# Altium PCB Pleiades_PP.PcbDoc (part 2 of 15) (continued)
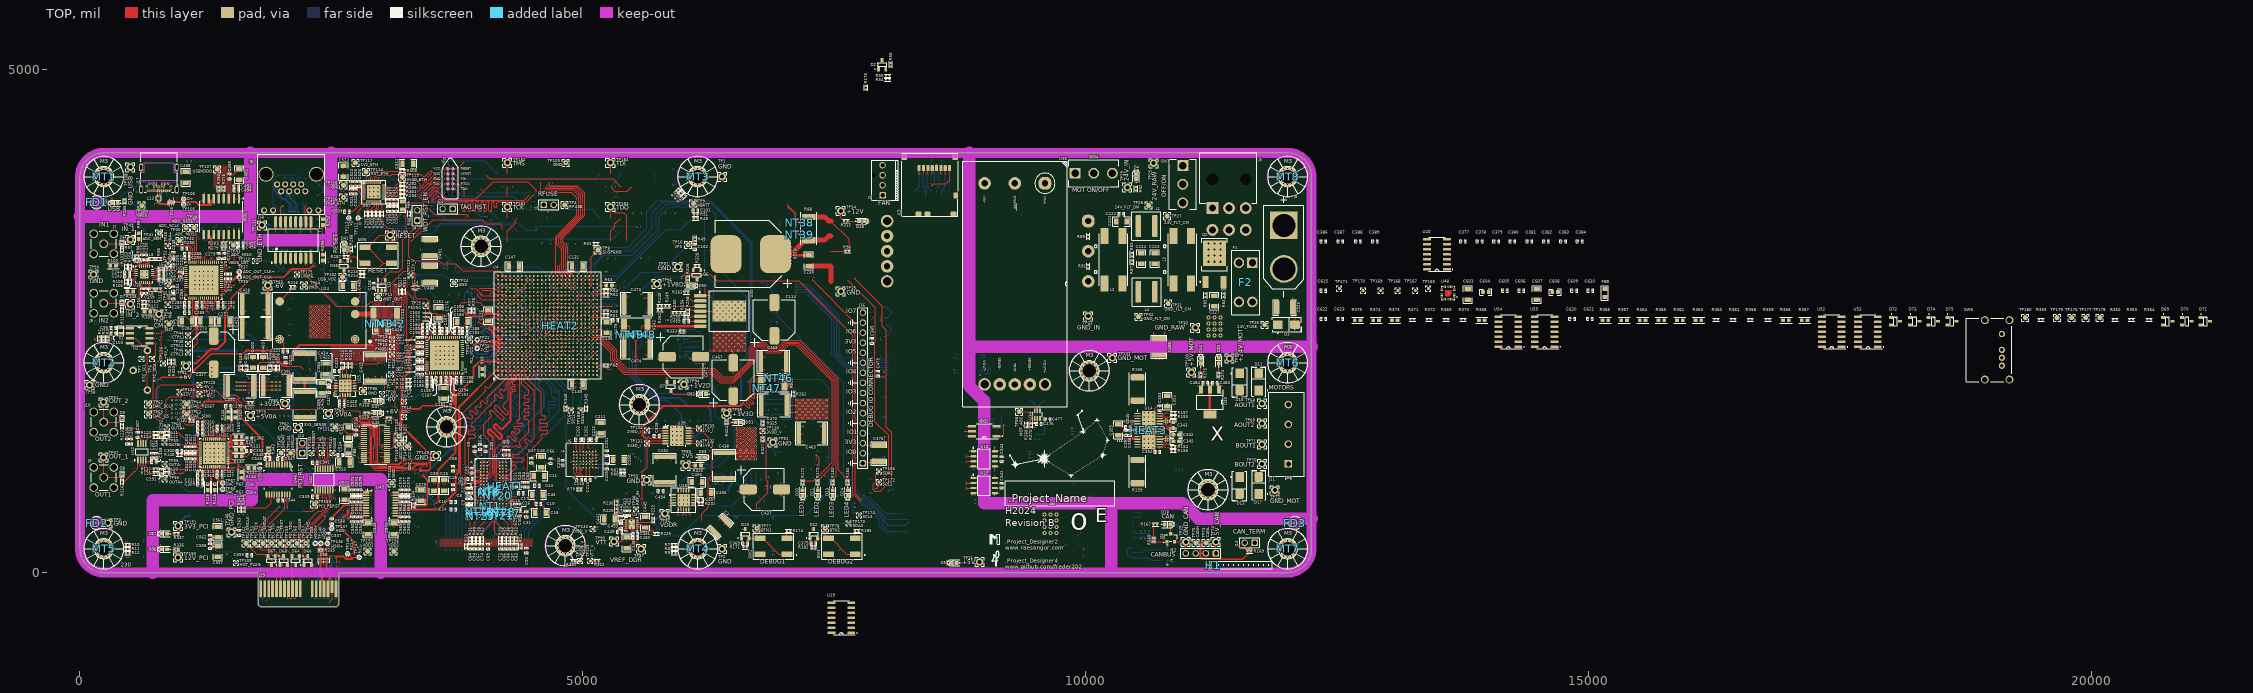
[diagram p0: TOP view]
## Components (designator, comment, footprint, x,y, rotation, side; value= is the part's Value field where it differs from the comment) (continued)
R23 "40R2" RES_0402 4300,330 r270 bottom
R24 "40R2" RES_0402 3640,330 r270 bottom
R25 "40R2" RES_0402 3680,330 r270 bottom
R26 "40R2" RES_0402 3720,330 r270 bottom
R27 "40R2" RES_0402 4220,330 r270 bottom
R28 "40R2" RES_0402 4420,330 r270 bottom
R29 "40R2" RES_0402 3880,330 r270 bottom
R30 "40R2" RES_0402 4460,330 r270 bottom
R31 "40R2" RES_0402 3880,330 r270 top
R32 "40R2" RES_0402 4340,330 r270 top
R33 "4K7" RES_0402 3840,260 r270 top
R34 "40R2" RES_0402 3920,330 r270 bottom
R35 "40R2" RES_0402 4220,330 r270 top
R36 "40R2" RES_0402 4260,330 r270 top
R37 "40R2" RES_0402 4140,400 r270 bottom
R38 "40R2" RES_0402 4180,330 r270 bottom
R39 "40R2" RES_0402 3800,330 r270 bottom
R40 "40R2" RES_0402 3920,330 r270 top
R41 "40R2" RES_0402 4340,330 r270 bottom
R42 "40R2" RES_0402 4100,400 r270 bottom
R43 "40R2" RES_0402 4300,330 r270 top
R44 "40R2" RES_0402 4000,330 r270 bottom
R45 "10K" RES_0402 770,2400 r180 bottom
R46 "10K" RES_0402 770,2300 r180 bottom
R47 "10K" RES_0402 770,2350 r180 bottom
R48 "0R" RES_0402 6121.46,3520 r0 top
R49 "0R" RES_0402 6115,3315 r90 top
R50 "1K13" RES_0402 4525,3675 r90 bottom
R51 "DNF" RES_0402 6121.46,3560 r0 top
R52 "0R" RES_0402 5130,3270 r0 top
R53 "11R2" RES_0402 4485,3675 r270 bottom
R54 "100R" RES_0402 8030,4900 r0 top
R55 "100R" RES_0402 8030,4940 r0 top
R56 "4K7" RES_0402 8060,5050 r270 top
R57 "100K" RES_0402 3040,2855 r270 bottom
R58 "DNF" RES_0402 5230,2760 r180 bottom
R59 "DNF" RES_0402 5230,2595 r180 top
R60 "0R" RES_0402 5230,2800 r0 bottom
R61 "0R" RES_0402 5230,2555 r0 top
R62 "100R" RES_0402 5230,2760 r180 top
R63 "330R" RES_0603 5260,2855 r180 top
R64 "100R" RES_0402 5230,2800 r0 top
R65 "4K7" RES_0402 5230,2060 r180 top
R66 "0R" RES_0402 3275,3565 r270 top
R67 "0R" RES_0402 2120,1305 r270 bottom
R68 "0R" RES_0402 3515,3635 r270 bottom
R69 "240R" RES_0603 4000,1995 r270 top
R70 "0R" RES_0402 3625,2385 r180 bottom
R71 "0R" RES_0402 3070,1535 r180 top
R72 "DNF" RES_0402 3662.5,1855 r0 bottom
R73 "0R" RES_0402 3265,1835 r0 top
R74 "DNF" RES_0402 3265,1875 r0 top
R75 "1K" RES_0402 3265,1915 r180 top
R76 "1K" RES_0402 3916,2605 r270 top
R77 "1K" RES_0402 3875,2605 r270 top
R78 "1K" RES_0402 3685,1725 r270 top
R79 "100K" RES_0402 4964.25,827.24 r180 top
R80 "100K" RES_0402 5394.25,977.24 r0 top
R81 "100K" RES_0402 5394.25,1017.24 r0 top
R82 "100K" RES_0402 5205,1115 r180 bottom
R83 "1M" RES_0402 10460,3160 r270 top
R84 "1M" RES_0402 11370,2755 r270 top
R85 "10K" RES_0402 11190,2755 r270 top
R86 "47K" RES_0402 11280,2730 r270 bottom
R87 "1M" RES_0402 10460,3085 r270 top
R88 "30mR" RES_2512 7245,3420 r270 top
R89 "47K" RES_0402 10025,3340 r270 top
R90 "4K7" RES_0402 7630,3195 r180 top
R91 "100K" RES_0402 10025,3042.36 r270 top
R92 "12K" RES_0402 10500,3815 r90 top
R93 "1K13" RES_0402 8825,90 r180 bottom
R94 "49R9" RES_0603 1000,2780 r270 bottom
R95 "49R9" RES_0603 1000,2990 r90 bottom
R96 "11R2" RES_0402 785,3120 r0 top
R97 "768R" RES_0402 565,3105 r180 top
R98 "768R" RES_0402 565,3145 r180 top
R99 "330R" RES_0603 585,3345 r270 top
R100 "330R" RES_0603 330,3050 r0 top
R101 "56R2" RES_0402 420,3205 r270 top
R102 "11R2" RES_0402 885,3025 r0 top
R103 "768R" RES_0402 460,3040 r270 top
R104 "768R" RES_0402 500,3040 r270 top
R105 "768R" RES_0402 460,2890 r270 top
R106 "768R" RES_0402 500,2890 r270 top
R107 "11R2" RES_0402 885,2905 r0 top
R108 "330R" RES_0603 500,2795 r180 top
R109 "330R" RES_0603 670,2594 r180 top
R110 "56R2" RES_0402 420,2610 r270 top
R111 "768R" RES_0402 640,2650 r0 top
R112 "768R" RES_0402 640,2690 r0 top
R113 "11R2" RES_0402 785,2815 r0 top
R114 "100K" RES_0402 557.5,1045 r0 bottom
R115 "11R2" RES_0402 755,985 r180 top
R116 "40R2" RES_0402 421.06,900 r90 top
R117 "11R2" RES_0402 755,1025 r180 top
R118 "174R" RES_0603 815,1080 r180 bottom
R119 "174R" RES_0603 815,930 r180 bottom
R120 "60K4" RES_0402 615,1030 r270 bottom
R121 "100K" RES_0402 630,1370 r0 bottom
R122 "11R2" RES_0402 755,1390 r180 top
R123 "40R2" RES_0402 420,1453.79 r90 top
R124 "11R2" RES_0402 755,1350 r180 top
R125 "174R" RES_0603 815,1295 r180 bottom
R126 "174R" RES_0603 835,1445 r180 bottom
R127 "60K4" RES_0402 690,1385 r90 bottom
R128 "49R9" RES_0603 1340,850 r270 top
R129 "49R9" RES_0603 1270,850 r270 top
R130 "49R9" RES_0603 1580,1155 r0 top
R131 "49R9" RES_0603 1580,1220 r0 top
R132 "10K" RES_0402 1110,1515 r0 top
R133 "49R9" RES_0603 1580,1220 r0 bottom
R134 "49R9" RES_0603 1605,970 r270 top
R135 "49R9" RES_0603 1580,1415 r0 bottom
R136 "49R9" RES_0603 1580,1285 r0 bottom
R137 "49R9" RES_0603 1705,1040 r0 top
R138 "49R9" RES_0603 1580,1350 r0 bottom
R139 "49R9" RES_0603 1360,970 r270 bottom
R140 "49R9" RES_0603 1580,1090 r0 bottom
R141 "49R9" RES_0603 1545,1570 r90 top
R142 "49R9" RES_0603 1430,970 r270 bottom
R143 "49R9" RES_0603 1580,1155 r0 bottom
R144 "49R9" RES_0603 1475,1570 r90 top
R145 "10K" RES_0402 990,1170 r180 top
R146 "49R9" RES_0603 1500,970 r270 bottom
R147 "49R9" RES_0603 1580,1285 r0 top
R148 "49R9" RES_0603 1435,1370 r90 bottom
R149 "49R9" RES_0603 1570,970 r270 bottom
R150 "49R9" RES_0603 1580,1350 r0 top
R151 "49R9" RES_0603 1355,1370 r90 bottom
R152 "100K" RES_0402 10460,1360 r90 bottom
R153 "100K" RES_0402 10872.5,1550 r180 top
R154 "100K" RES_0402 10870,1250 r180 top
R155 "100K" RES_0402 10460,1440 r90 bottom
R156 "150mR" RES_2512 10515,1825 r90 top
R157 "100K" RES_0402 10872.5,1590 r0 top
R158 "100K" RES_0402 10870,1210 r0 top
R159 "150mR" RES_2512 10515,1004 r270 top
R160 "1K" RES_0402 9125,1452.5 r270 bottom
R161 "5K1" RES_0402 9164.37,1452.5 r270 bottom
R162 "100K" RES_0402 9085.63,1452.5 r90 bottom
R163 "47K" RES_0402 10501,1360 r270 bottom
R164 "47K" RES_0402 10500,1440 r270 bottom
R165 "5K1" RES_0402 10500,1520.18 r90 bottom
R166 "5K1" RES_0402 10521,1575 r180 bottom
R167 "1K13" RES_0402 10692.5,477.69 r0 top
R168 "1M" RES_0402 10675,324.69 r270 top
R169 "120R" RES_0402 11627.5,210 r180 top
R170 "0R" RES_0402 10550,575 r90 bottom
R171 "100K" RES_0402 6615,249.33 r0 top
R172 "768R" RES_0402 7185,895 r270 top
R173 "768R" RES_0402 7335,895 r270 top
R174 "4K7" RES_0402 7045,415 r0 top
R175 "100K" RES_0402 7815,4820 r90 top
R176 "47K" RES_0402 8605,3820 r90 bottom
R177 "47K" RES_0402 8645,3820 r90 bottom
R178 "47K" RES_0402 8345,3820 r90 bottom
R179 "47K" RES_0402 8385,3820 r90 bottom
R180 "47K" RES_0402 8425,3820 r90 bottom
R181 "47K" RES_0402 8520,3820 r90 bottom
R182 "100K" RES_0402 7295,250 r0 top
R183 "768R" RES_0402 7485,895 r270 top
R184 "768R" RES_0402 7635,895 r270 top
R185 "4K7" RES_0402 7725,415 r0 top
R186 "500mR" RES_2512 2003.49,2207.41 r0 bottom
R187 "0R" RES_0402 2423.49,1982.41 r270 bottom
R188 "25K" RES_0402 2283.49,1952.41 r0 bottom
R189 "0R" RES_0402 1600.49,2035.1 r90 top
R190 "0R" RES_0402 1930,2035 r90 top
R191 "4K7" RES_0402 2343.49,2032.41 r270 bottom
R192 "DNF" RES_0402 1350,2035.59 r180 bottom
R193 "0R" RES_0402 1790,1595 r270 bottom
R194 "DNF" RES_0402 1350,1995.59 r180 bottom
R195 "0R" RES_0402 1830,1595 r270 bottom
R196 "4K7" RES_0402 2358.49,2091.41 r0 bottom
R197 "1M" RES_0402 2443.49,1922.41 r0 bottom
R198 "0R" RES_0402 2463.49,1982.41 r270 bottom
R199 "0R" RES_0402 1350,1955 r180 bottom
R200 "DNF" RES_0402 1870,1595 r270 bottom
R201 "DNF" RES_0402 1350,1915 r180 bottom
R202 "DNF" RES_0402 1910,1595 r270 bottom
R203 "DNF" RES_0402 1350,1875 r180 bottom
R204 "0R" RES_0402 1950,1595 r270 bottom
R205 "0R" RES_0402 1350,1835 r180 bottom
R206 "DNF" RES_0402 1990,1595 r270 bottom
R207 "1M" RES_0402 1695,1684.96 r180 top
R208 "1M" RES_0402 1970,2035 r90 top
R209 "DNF" RES_0402 1350,1795 r180 bottom
R210 "DNF" RES_0402 2030,1595 r270 bottom
R211 "DNF" RES_0402 1350,1755.59 r180 bottom
R212 "DNF" RES_0402 2070,1595 r270 bottom
R213 "500mR" RES_2512 3035,2565 r180 top
R214 "0R" RES_0402 2805,2950 r0 top
R215 "1M" RES_0402 2805,2990 r180 top
R216 "10K5" RES_0402 2115,2840 r0 top
R217 "0R" RES_0402 2650,2060 r90 top
R218 "47K" RES_0402 2605,1660 r0 bottom
R219 "1M" RES_0402 2690,2060 r270 top
R220 "25K" RES_0402 2605,1700 r180 bottom
R221 "150mR" RES_2512 6335,814.27 r0 bottom
R222 "100K" RES_0402 5700.12,520.77 r270 top
R223 "0R" RES_0402 6675,860.81 r270 bottom
R224 "1K" RES_0402 6314.94,665.14 r0 bottom
R225 "0R" RES_0402 5732.62,385.77 r180 top
R226 "4K7" RES_0402 6600,760 r0 bottom
R227 "1M" RES_0402 6785,729.81 r0 bottom
R228 "0R" RES_0402 6725,860.81 r270 bottom
R229 "100K" RES_0402 5335.12,615.77 r90 top
R230 "100K" RES_0402 5335.12,690.77 r90 top
R231 "0R" RES_0402 6172,684.14 r0 top
R232 "0R" RES_0402 6110,705.14 r180 bottom
R233 "DNF" RES_0402 6110,665.14 r180 bottom
R234 "DNF" RES_0402 6070,610.14 r90 bottom
R235 "DNF" RES_0402 6030,610.14 r90 bottom
R236 "DNF" RES_0402 5990,610.14 r90 bottom
R237 "DNF" RES_0402 5950,610.14 r90 bottom
R238 "1M" RES_0402 6000,830.14 r270 bottom
R239 "DNF" RES_0402 5892.5,660.14 r0 bottom
R240 "DNF" RES_0402 5892.5,700.14 r0 bottom
R241 "10mR" RES_2512 6890,1880 r0 top
R242 "30mR" RES_2512 5526,2455 r0 top
R243 "10mR" RES_2512 5526,2455 r0 bottom
R244 "47K" RES_0402 6865,1475 r90 bottom
R245 "10K5" RES_0402 5765,2650 r0 top
R246 "10K5" RES_0402 5965,2185 r90 bottom
R247 "0R" RES_0402 6800,1535 r180 bottom
R248 "4K7" RES_0402 6620,1615 r90 bottom
R249 "0R" RES_0402 5840,2650 r180 top
R250 "40R2" RES_0402 5915,2580 r0 top
R251 "0R" RES_0402 5985,2240 r180 bottom
R252 "4K7" RES_0402 5985,2360 r180 bottom
R253 "4K7" RES_0402 5985,2320 r180 bottom
R254 "10K" RES_0402 6805,1685 r180 bottom
R255 "5K1" RES_0402 6030,2540 r180 top
R256 "768R" RES_0402 5990,2580 r180 top
R257 "4K7" RES_0402 6820,1630 r270 bottom
R258 "4K7" RES_0402 6045,2595 r90 top
R259 "4K7" RES_0402 6045,2305 r270 bottom
R260 "4K7" RES_0402 6800,1575 r0 bottom
R261 "0R" RES_0402 7095,1775 r90 top
R262 "4K7" RES_0402 5765,2610 r180 top
R263 "0R" RES_0402 6030,2785 r180 top
R264 "4K7" RES_0402 5985,2280 r0 bottom
R265 "0R" RES_0402 6005,2185 r270 bottom
R266 "47K" RES_0402 9055,2000 r90 bottom
R267 "47K" RES_0402 9540,1355 r90 bottom
R268 "47K" RES_0402 9410,1465 r90 top
R269 "47K" RES_0402 9500,1355 r270 bottom
R270 "47K" RES_0402 9455,1465 r270 top
R271 "10mR" RES_2512 9520,1720 r0 bottom
R272 "47K" RES_0402 9440,3870 r180 bottom
R273 "10K" RES_0402 9445,1975 r180 bottom
R274 "12K" RES_0402 11322.7,1965.28 r90 top
R275 "1K13" RES_0402 11145,1965 r90 top
R276 "10K" RES_0402 9140,3870 r180 bottom
R277 "0R" RES_0402 2615,3070 r90 bottom
R278 "10K" RES_0402 1430,3815.98 r270 top
R279 "10K" RES_0402 1430,3225 r0 top
R280 "10K" RES_0402 1380,3815 r270 top
R281 "10K" RES_0402 1430,3275 r0 top
R282 "100K" RES_0402 2530,3070 r270 bottom
R283 "100K" RES_0402 1100,3435 r180 bottom
R284 "174R" RES_0603 1230,3660 r0 bottom
R285 "0R" RES_0402 2570.77,3070 r270 bottom
R286 "1K13" RES_0402 445,3690 r270 top
R287 "768R" RES_0402 2645,3140 r180 top
R288 "4K7" RES_0402 2695,3215 r90 top
R289 "5K1" RES_0402 885,3785 r0 bottom
R290 "5K1" RES_0402 525,3785 r0 bottom
R291 "1K" RES_0402 2845,3565 r90 top
R292 "1K" RES_0402 3205,3865 r180 top
R293 "240R" RES_0603 2415,3485 r270 top
R294 "40R2" RES_0402 3205,3745 r0 top
R295 "40R2" RES_0402 3205,3825 r0 top
R296 "330R" RES_0603 2415,3130 r270 top
R297 "40R2" RES_0402 3005,3565 r270 top
R298 "40R2" RES_0402 2965,3565 r270 top
R299 "40R2" RES_0402 2925,3565 r270 top
R300 "40R2" RES_0402 2885,3565 r270 top
R301 "40R2" RES_0402 3205,3785 r0 top
R302 "75R" RES_0402 2120,3940 r90 bottom
R303 "75R" RES_0402 2160,3940 r90 bottom
R304 "75R" RES_0402 2235,3685 r180 bottom
R305 "75R" RES_0402 1995,3630 r270 bottom
R306 "6K4" RES_0402 2870,3990 r90 bottom
R307 "75R" RES_0402 2910,3990 r270 bottom
R308 "10K" RES_0402 3205,3995 r180 top
R309 "1K" RES_0402 2600,1285 r90 bottom
R310 "174R" RES_0603 2935,1370 r180 bottom
R311 "1K" RES_0402 2560,1320 r90 bottom
R312 "100K" RES_0402 3235,1330 r270 top
R313 "6K4" RES_0402 2600,1355 r90 bottom
R314 "1K" RES_0402 2560,1250 r90 bottom
R315 "5K1" RES_0402 7615,3495 r0 top
R316 "47K" RES_0402 3225,2792.5 r90 top
R317 "10K" RES_0402 3185,2792.5 r270 top
R318 "4K7" RES_0402 2854.5,1705 r180 top
R319 "1K13" RES_0402 2850,1585 r0 top
R320 "12K" RES_0402 930,2095 r270 top
R321 "0R" RES_0402 4909.02,115 r0 top
R322 "0R" RES_0402 5140,115 r180 top
R323 "10K5" RES_0402 890,2095 r90 top
R324 "768R" RES_0402 6430,1495 r270 top
R325 "25K" RES_0402 6790,1485 r270 top
R326 "5K1" RES_0402 6045,2925 r270 top
R327 "47K" RES_0402 6790,1325 r90 top
R328 "1M" RES_0402 6135,3050 r180 top
R329 "330R" RES_0603 6145,1065 r0 top
R330 "4K7" RES_0402 5150,415 r90 bottom
R331 "5K1" RES_0402 5737.95,1798.93 r270 bottom
R332 "47K" RES_0402 5110,415 r90 bottom
R333 "1M" RES_0402 5985,2400 r0 top
R334 "100R" RES_0402 3315,668.6 r270 top
R335 "100R" RES_0402 2395,222 r0 top
R336 "6K4" RES_0402 957.5,231 r180 top
R337 "768R" RES_0402 957.5,386 r180 top
R338 "1K" RES_0402 3330,660 r0 bottom
R339 "1K" RES_0402 3330,700 r180 bottom
R340 "10K" RES_0402 1865,1170 r0 top
R341 "16K9" RES_0402 1585,625 r90 top
R342 "100R" RES_0402 2655,642.5 r90 bottom
R343 "DNF" RES_0402 1880,1225 r90 top
R344 "10K" RES_0402 1625,625 r270 top
R345 "10K" RES_0402 5035,1630 r270 top
R346 "10K" RES_0402 4830,1630 r270 top
R347 "10K" RES_0402 7880,915 r270 bottom
R348 "10K" RES_0402 7880,810 r90 bottom
R349 "10K" RES_0402 7540.2,489.96 r0 bottom
R350 "10K" RES_0402 7745.2,489.96 r180 bottom
R351 "1K" RES_0402 2045,2885 r0 bottom
R352 "100K" RES_0402 20232.6,2514.09 r180 top
R353 "100K" RES_0402 20397.6,2514.09 r180 top
R354 "100K" RES_0402 20572.6,2514.09 r180 top
R355 "0R" RES_0402 19497.6,2514.09 r180 top
R356 "DNF" RES_0603 16962.6,2509.09 r180 top
R357 "DNF" RES_0603 17147.6,2509.09 r180 top
R358 "0R" RES_0402 16607.6,2514.09 r180 top
R359 "0R" RES_0402 16782.6,2514.09 r180 top
R360 "0R" RES_0402 16267.6,2514.09 r180 top
R361 "0R" RES_0402 16437.6,2514.09 r180 top
R362 "330R" RES_0603 15907.6,2509.09 r180 top
R363 "330R" RES_0603 16092.6,2509.09 r180 top
R364 "330R" RES_0603 15537.6,2509.09 r180 top
R365 "330R" RES_0603 15722.6,2509.09 r180 top
R366 "330R" RES_0603 15167.6,2509.09 r180 top
R367 "330R" RES_0603 15352.6,2509.09 r180 top
R368 "DNF" RES_0603 13937.6,2509.09 r180 top
R369 "0R" RES_0402 13582.6,2514.09 r180 top
R370 "0R" RES_0402 13752.6,2514.09 r180 top
R371 "0R" RES_0402 13247.6,2514.09 r180 top
R372 "0R" RES_0402 13412.6,2514.09 r180 top
R373 "330R" RES_0603 13072.6,2509.09 r180 top
R374 "330R" RES_0603 12887.6,2509.09 r180 top
R375 "330R" RES_0603 12702.6,2509.09 r180 top
SW1 "OFF/ON" 1101M2S3CQE2 10964.99,3860.47 r270 top locked
SW2 "DEBUG1" SWI_TACT_B3SN-3012P 6895,260 r180 top
SW3 "DEBUG2" SWI_TACT_B3SN-3012P 7575,260 r180 top
SW4 "MOT ON/OFF" 1101M2S3CQE2 10079.96,3970 r0 top
SW5 "RESET" SWI_TACT_B3SN-3012P 2965,3155 r0 top
SW6 "JTAG_SELECT" 1825256-6 19062.6,2214.09 r270 top
T1 "H1102NLT" TRANSFO_H1102NLT 2120,3305.96 r90 top value="1:1 (350uH)"
TP1 "GND" TP_HOLE 6385.83,3937.01 r0 top locked
TP2 "GND" TP_HOLE 6385.83,236.22 r0 top locked
TP3 "GND" TP_HOLE 276.22,492.13 r0 top locked
TP4 "RFUSE" TP_PAD#1 4820,3655 r90 top
TP5 "MFP" TP_PAD#2 885,2470 r180 top
TP6 "RTC_SDA" TP_PAD_SMALL#1 720,2127.5 r270 top
TP7 "RTC_SCL" TP_PAD_SMALL#1 615,2127.5 r270 top
TP8 "SUSPEND" TP_PAD#1 5150,3205 r90 top
TP9 "VBATT" TP_PAD#1 6100,3670 r90 top
TP10 "VFS" TP_PAD#1 6047.5,3260 r90 top
TP11 "WDT_OUT" TP_PAD#1 2965,2740 r90 top
TP12 "OSC+" TP_PAD_SMALL#2 3225,1705 r90 top
TP13 "OSC-" TP_PAD_SMALL#2 3225.35,1550 r90 top
TP14 "OSC_VCC" TP_PAD#1 3255,1255 r90 top
TP15 "PSYNC" TP_PAD_SMALL#2 3440,2655 r90 top
TP16 "PLE" TP_PAD_SMALL#2 3095,1970 r90 top
TP17 "PCLK" TP_PAD_SMALL#2 3105,2170 r90 top
TP18 "PMOSI" TP_PAD_SMALL#2 3105,2245 r90 top
TP19 "PMISO" TP_PAD_SMALL#2 3105,2320 r90 top
TP20 "PLOCK" TP_PAD_SMALL#2 3005,1775 r90 top
TP21 "FCL+" TP_PAD_TINY 3950,2315 r90 top
TP22 "FCL-" TP_PAD_TINY 3950,2230 r90 top
TP23 "PLL_VCC" TP_PAD#1 3870,2320 r90 top
TP24 "GND" TP_PAD#1 3720,2880 r90 top
TP25 "24V_RAW" TP_HOLE 10675,4070 r180 top
TP26 "24V_FUSE" TP_PAD#1 11780,2465 r90 top
TP27 "24V_FLT_CM" TP_PAD#1 10810,3545 r90 top
TP28 "24V_FLT_DM" TP_PAD#1 10625,3650 r90 top
TP29 "24V_IN" TP_HOLE 10415,3830 r180 top
TP30 "GND_RAW" TP_HOLE 11090,2435 r180 top
TP31 "GND_FLT_CM" TP_PAD#1 10820,2675 r90 top
TP32 "GND_FLT_DM" TP_PAD#1 10525,2545 r90 top
TP33 "GND_IN" TP_HOLE 10025,2550 r90 top
TP34 "+12V" TP_HOLE 7565,3595 r90 top
TP35 "GND" TP_HOLE 7565,2795 r90 top
TP36 "+5V" TP_HOLE 8945,105 r0 top
TP37 "ADC_OUT_CLK+" TP_PAD_TINY 1585,2990 r90 top
TP38 "ADC_RESET" TP_PAD#1 1135,3430 r90 top
TP39 "ADC_OUT_CLK-" TP_PAD_TINY 1585,2935 r90 top
TP40 "ADC_SCLK" TP_PAD#1 1055,3430 r90 top
TP41 "ADC_SEN" TP_PAD#1 790,3375 r90 top
TP42 "ADC_MOSI" TP_PAD#1 990,3300 r90 top
TP43 "ADC_MISO" TP_PAD#1 1525,3255 r90 top
TP44 "CTRL1" TP_PAD_SMALL#2 1075,2360 r90 top
TP45 "CTRL2" TP_PAD_SMALL#2 1075,2275 r90 top
TP46 "CTRL3" TP_PAD_SMALL#2 1075,2190 r90 top
TP47 "CM" TP_HOLE 785,2570 r90 top
TP48 "INA+" TP_PAD_SMALL#2 875,3250 r90 top
TP49 "IN_1" TP_HOLE 500,3310 r90 top
TP50 "GND" TP_HOLE 135,2965 r90 top
TP51 "INA-" TP_PAD_SMALL#2 875,3075 r90 top
TP52 "INB+" TP_PAD_SMALL#2 875,2850 r90 top
TP53 "IN_2" TP_HOLE 500,2670 r90 top
TP54 "INB-" TP_PAD_SMALL#2 875,2665 r90 top
TP55 "OUTA-" TP_PAD_SMALL#2 845,1080 r90 top
TP56 "OUTA+" TP_PAD_SMALL#2 845,930 r0 top
TP57 "OUT_1" TP_HOLE 235,1145 r90 top
TP58 "GND" TP_HOLE 95,1865 r90 top
TP59 "OUTB-" TP_PAD_SMALL#2 845,1295 r0 top
TP60 "OUTB+" TP_PAD_SMALL#2 865,1445 r0 top
TP61 "OUT_2" TP_HOLE 235,1695 r90 top
TP62 "DAC_SCLK" TP_PAD#1 680,1675 r90 top
TP63 "DAC_SDIO" TP_PAD#1 1060,1575 r90 top
TP64 "DAC_RESET" TP_PAD#1 1060,1675 r90 top
TP65 "DAC_CS" TP_PAD#1 680,1575 r90 top
TP66 "DAC_REF_CLK+" TP_PAD_TINY 1420,830 r90 top
TP67 "DAC_REF_CLK-" TP_PAD_TINY 1420,890 r90 top
TP68 "AOUT1" TP_HOLE 11755,1680.55 r90 top
TP69 "AOUT2" TP_HOLE 11755,1483.7 r90 top
TP70 "BOUT2" TP_HOLE 11755,1080 r90 top
TP71 "BOUT1" TP_HOLE 11755,1275 r0 top
TP72 "GND_MOT" TP_HOLE 11880,820 r90 top
TP73 "CANL" TP_PAD#1 11195,295 r0 top
TP74 "5V_CAN" TP_HOLE 11295,305 r0 top
TP75 "GND_CAN" TP_HOLE 10995,305 r0 top
TP76 "CANH" TP_PAD#1 11095,295 r0 top
TP77 "BTN1" TP_PAD#1 6730,440 r90 top
TP78 "BTN2" TP_PAD#1 7410,440 r90 top
TP79 "+5V0A" TP_HOLE 1695,1560 r90 top
TP80 "+3V3A" TP_HOLE 2040,1680 r90 top
TP81 "+6V" TP_HOLE 1054.51,2052.5 r90 top
TP82 "GND" TP_HOLE 2170,1440 r90 top
TP83 "-6V" TP_HOLE 1867.87,2856 r90 top
TP84 "GND" TP_PAD#1 2230,2855 r0 top
TP85 "-5V0A" TP_HOLE 2470,1580 r90 top
TP86 "GND" TP_PAD#1 2817.5,1806.24 r90 top
TP87 "VREF_DDR" TP_HOLE 5580,235.14 r90 top
TP88 "REF_IN" TP_PAD_SMALL#2 5530.12,630.77 r180 top
TP89 "2V5" TP_HOLE 6024.8,1064 r90 top
TP90 "VTT" TP_HOLE 5310,310 r90 top
TP91 "GND" TP_HOLE 6890,1295.14 r90 top
TP92 "VDDR" TP_HOLE 5815,585.14 r90 top
TP93 "GND" TP_HOLE 5635,920.14 r90 top
TP94 "+1V2D" TP_HOLE 6005,1870 r0 top
TP95 "+3V3D" TP_HOLE 6430,1585 r90 top
TP96 "+1V8D" TP_HOLE 5735,2870 r0 top
TP97 "GND" TP_HOLE 5945,3040 r90 top
TP98 "MOT_ADC" TP_PAD#1 9340,1600 r0 top
TP99 "+24V_MOT" TP_HOLE 11430,2130 r0 top
TP100 "+5V_MOT" TP_HOLE 11050,1990 r90 top
TP101 "GND_MOT" TP_HOLE 10265,2135 r90 top
TP102 "USB_VCC" TP_PAD#1 2610.92,2939.54 r90 top
TP103 "GND" TP_PAD#1 4830,4075 r90 top
TP104 "VBUS" TP_PAD#1 615,3650 r0 top
TP105 "D-" TP_PAD_TINY 1030.15,3659.4 r90 top
TP106 "D+" TP_PAD_TINY 1030.15,3714.4 r90 top
TP107 "USBVDDO" TP_PAD#1 1365,4010 r90 top
TP108 "GND_USB" TP_HOLE 500,4030 r90 top
TP109 "RESET" TP_HOLE 3085,3355 r90 top
TP110 "VBUS_DET" TP_PAD_SMALL#2 1745,3100 r90 top
TP111 "GND_ETH" TP_HOLE 1810,3455 r90 top
TP112 "XI" TP_PAD_TINY 2765,3525 r90 top
TP113 "XO" TP_PAD_TINY 2672.99,3525 r90 top
TP114 "RST_ETH" TP_PAD#1 2845,3985 r90 top
TP115 "3V3D_ETH" TP_PAD#1 3205,3930 r90 top
TP116 "3V3A_ETH" TP_PAD#1 2620,3730 r90 top
TP117 "1V2_ETH" TP_PAD#1 2740,4075 r90 top
TP118 "GND" TP_PAD#1 2620,3850 r90 top
TP119 "ADCO" TP_PAD#1 3170,1275 r90 top
TP120 "ADCI" TP_PAD#1 3170,1355 r90 top
TP121 "3V3_SENSE" TP_PAD#1 2535,1445 r90 top
TP122 "GND" TP_PAD#1 3100,890 r90 top
TP123 "12V_V" TP_PAD_SMALL#2 3290,2955 r270 top
TP124 "12V_I" TP_PAD_SMALL#2 990,1795 r90 top
TP125 "-6V_I" TP_PAD_SMALL#2 1190,1865 r90 top
TP126 "+6V_V" TP_PAD_SMALL#2 830,2080 r90 top
TP127 "+6V_I" TP_PAD_SMALL#2 1190,1775 r90 top
TP128 "VDDR_V" TP_PAD_SMALL#2 4975,115 r90 top
TP129 "VTT_V" TP_PAD_SMALL#2 5075,115 r90 top
TP130 "3V3D_V" TP_PAD_SMALL#2 6790,1410 r90 top
TP131 "3V3D_I" TP_PAD_SMALL#2 5640,1285 r90 top
TP132 "1V8_I" TP_PAD_SMALL#2 6155,1285 r90 top
TP133 "2V5D_V" TP_PAD_SMALL#2 5100,435 r90 top
TP134 "2V5D_I" TP_PAD_SMALL#2 5640,1415 r90 top
TP135 "1V2_I" TP_PAD_SMALL#2 6155,1435 r90 top
TP136 "HSI0+" TP_PAD_TINY 2460,290 r90 top
TP137 "HSI0-" TP_PAD_TINY 2505,440 r90 top
TP138 "HSO0+" TP_PAD_TINY 2340,290 r90 top
TP139 "HOT_PLUG" TP_PAD_SMALL#2 1552.87,98.19 r90 top
TP140 "HSO0-" TP_PAD_TINY 2395,290 r90 top
TP141 "WAKE" TP_PAD_SMALL#2 2515,1190 r90 top locked
TP142 "PERST" TP_PAD_SMALL#2 2410,1190 r90 top locked
TP143 "PRESENT" TP_PAD_SMALL#2 2305,1190 r90 top locked
TP144 "SMCLK" TP_PAD#1 2095,1190 r90 top locked
TP145 "SMDAT" TP_PAD#1 2000,1190 r90 top locked
TP146 "RCL+" TP_PAD_TINY 2660,185 r90 top
TP147 "RCL-" TP_PAD_TINY 2775,150 r90 top
TP148 "GND_PCI" TP_HOLE 1507.87,402.02 r270 top
TP149 "GND" TP_HOLE 3540,1160.87 r90 top locked
TP150 "12V_PCI" TP_HOLE 975,150 r90 top
TP151 "3V3_PCI" TP_HOLE 975,465 r90 top
TP152 "VDD1" TP_PAD#1 2860,210 r90 top
TP153 "PCI_TCK" TP_PAD#1 1735,290 r90 top
TP154 "PCI_TDI" TP_PAD#1 1905,290 r90 top
TP155 "PCI_TDO" TP_PAD#1 2075,290 r90 top
TP156 "VDD2" TP_PAD#1 3120,210 r90 top
TP157 "PCI_TMS" TP_PAD#1 2245,290 r90 top
TP158 "PCI_TRST" TP_PAD#1 1990,290 r90 top
TP159 "PCI_PERST" TP_PAD#1 2330,680 r0 top
TP160 "PCI_WAKE" TP_PAD#1 2160,290 r90 top
TP161 "PCI_SMCLK" TP_PAD#1 1650,290 r90 top
TP162 "PCI_SMDAT" TP_PAD#1 1820,290 r90 top
TP163 "SDA1" TP_PAD_SMALL#2 4980,1615 r90 top
TP164 "SCL1" TP_PAD_SMALL#2 4885,1615 r90 top
TP165 "IMU_INT" TP_PAD_SMALL#1 13407.6,2824.09 r270 top
TP166 "SDA2" TP_PAD_SMALL#2 7945,1005 r90 top
TP167 "IMU_CL" TP_PAD_SMALL#1 13277.6,2804.09 r180 top
TP168 "IMU_DI" TP_PAD_SMALL#1 13102.6,2804.09 r180 top
TP169 "IMU_DO" TP_PAD_SMALL#1 12932.6,2804.09 r180 top
TP170 "IMU_CS" TP_PAD_SMALL#1 12757.6,2804.09 r180 top
TP171 "IMU_SYNC" TP_PAD_SMALL#1 12522.6,2824.09 r270 top
TP172 "SCL2" TP_PAD_SMALL#2 7945,900 r90 top
TP173 "SDA3" TP_PAD_SMALL#2 7645,490 r0 top
TP174 "SCL3" TP_PAD_SMALL#2 7748.96,571.77 r0 top
TP175 "1WIRE" TP_PAD_SMALL#2 2160,2965 r90 top
TP176 "PCI_TAG" TP_PAD#2 19802.6,2534.09 r270 top
TP177 "USB_TAG" TP_PAD#2 19942.6,2534.09 r270 top
TP178 "TAG_CONN" TP_PAD#2 20082.6,2534.09 r270 top
TP179 "TAG_RTCK" TP_PAD#2 19657.6,2534.09 r270 top
TP180 "TAG_RESET" TP_PAD#2 19342.6,2534.09 r270 top
TP181 "TCK" TP_HOLE 4250,3635 r0 top
TP182 "TMS" TP_HOLE 4250,4075 r0 top
TP183 "TDO" TP_HOLE 5275,3635 r0 top
TP184 "TDI" TP_HOLE 5275,4075 r0 top
U1 "MT41K512M16HA-125 :A" FBGA-96 4110.24,858.27 r0 top locked
U2 "MCP7940N-E/SN" SOIC-8_3.8mm 592.5,2355 r0 top
U3 "STWD100PYW83F" SOT23-5 3000,2855 r0 top
U4 "XC6SLX100-3FGG676C" FPGA_XILINX_FGG676 4649.61,2456.69 r90 top locked
U5 "CDCE62005RGZT" TIM_CDCE62005RGZT 3625,2160 r270 top
U6 "XCF32PFSG48C" TFBGA-48_0.8MM_8X9 5019.25,1122.24 r90 top
U7 "IRE-12/10-Q12P-C" IRE-Q12 9025,3195 r180 bottom locked
U8 "NCV2931ADT5.0RKG" DPAK 9650,335 r180 bottom
U9 "ADS62P48IRGCT" ADC_ADS62P48IRGCT 1230,2905 r270 top
U10 "ADA4927-2YCPZ-R2" OPAMP_ADA4927-2YCPZ-R2 640,2965 r0 top
U11 "AD9146BCPZ" DAC_AD9146BCPZ 1335,1190 r90 top
U12 "AD8056ARMZ" OPAMP_AD8056ARMZ 615,1200 r90 top
U13 "SI8620EB-B-IS" ISO_SI8620EB-B-IS 8990,865.31 r0 bottom
U14 "DRV8811PWPR" POW_MOTOR_DRV8811PWPR 10625,1415 r0 top locked
U15 "SI8620EB-B-IS" ISO_SI8620EB-B-IS 8990,865 r0 top
U16 "SI8620EB-B-IS" ISO_SI8620EB-B-IS 8990,1130 r0 top
U17 "SI8620EB-B-IS" ISO_SI8620EB-B-IS 8990,1130 r0 bottom
U18 "ADM3057EBRWZ" SOIC-20_7.5mm 10253.06,375 r0 bottom
U19 "74LVC125AD" SOIC-14_3.8MM 7570,-450 r180 top
U20 "74LVC125AD" SOIC-14_3.8MM 13492.6,3164.09 r180 top
U21 "LMZ23605TZE/NOPB" REG_SWR_LMZ23605TZE/NOPB 2383.49,2497.41 r180 bottom value="0.8 ~ 6 V"
U22 "TPS7A4701RGWR" REG_TPS7A4701RGWR 1595,1855 r90 bottom value="1.4 à 34V"
U23 "TPS7A4701RGWR" REG_TPS7A4701RGWR 1947.98,1856.23 r180 bottom value="1.4 à 34V"
U24 "PTN04050AAZT" REG_SWR_PTN04050AAZT 2380,2507 r180 top value="-15 ~ -3.3V"
U25 "TPS7A3301RGWR" REG_LDO_TPS7A3301RGWR 2636.51,1857.42 r0 top value=-1.18V~-33V
U26 "LMZ23605TZE/NOPB" REG_SWR_LMZ23605TZE/NOPB 6625,1280.81 r180 bottom value="0.8 ~ 6 V"
U27 "TPS51200DRCT" REG_PMIC_TPS51200DRCT 5485.12,480.77 r0 top value="DDR, DDR2, DDR3(L), DDR4"
U28 "TPS7A4701RGWR" REG_TPS7A4701RGWR 6001.18,720.65 r0 top value="1.4 à 34V"
U29 "LMZ23605TZE/NOPB" REG_SWR_LMZ23605TZE/NOPB 7275,1625 r90 bottom value="0.8 ~ 6 V"
U30 "LMZ23605TZE/NOPB" REG_SWR_LMZ23605TZE/NOPB 6455,2600 r270 top value="0.8 ~ 6 V"
U31 "LMZ23605TZE/NOPB" REG_SWR_LMZ23605TZE/NOPB 6455,2300 r90 bottom value="0.8 ~ 6 V"
U32 "ISO7741FDBQR" ISO_ISO7741FDBQR 8840,2075 r0 bottom value=3/1
U33 "TLV1572ID" SOIC-8_3.8mm 9620,1500 r0 bottom
U34 "INA214AQDCKRQ1" "SC-70-6 (SOT-363)" 9520,1570 r90 top
U35 "NCV2931AST" SOT223-4 11235,1695 r180 top
U36 "IRE-24/5-Q12P-C" IRE-Q12 9295,2870 r270 top
U37 "KSZ8091MNXCA" COM_ETH_PHY_KSZ8091MNXCA 2921.46,3784.84 r0 top
U38 "OPA991IDBVR" SOT23-5 2936.46,1273.98 r90 bottom
U39 "INA4180A1QPWRQ1" TSSOP-14_4.4MM 5935,1360 r0 top
U40 "ADS7957QDBTRQ1" TSSOP-38_4.4MM 2936.46,1273.98 r0 top
U41 "INA4180A1QPWRQ1" TSSOP-14_4.4MM 956.8,1627 r180 bottom
U42 "ISO7741DBQR" ISO_ISO7741DBQR 2425,925 r90 top
U43 "ADN4652BRSZ-RL7" TSSOP-20_5.3MM 2990,680 r0 top
U44 "SI8640EB-B-IU" ISO_SI8640EB-B-IU 2425,925 r90 bottom
U45 "ADN4652BRSZ-RL7" TSSOP-20_5.3MM 2990,680 r0 bottom
U46 "ADM3260ARSZ" TSSOP-20_5.3MM 1970,925 r270 top
U47 "TC74A0-3.3VCTTR" SEN_TEMP_TC74A0-3.3VCTTR 4935,1650 r90 bottom
U48 "ICM-20948" QFN-24_3X3 13602.6,2779.09 r180 top
U49 "TC74A0-3.3VCTTR" SEN_TEMP_TC74A0-3.3VCTTR 7992,864.68 r180 bottom
U50 "TC74A0-3.3VCTTR" SEN_TEMP_TC74A0-3.3VCTTR 7643.96,541.77 r270 bottom
U51 "DS2411R" SOT23-3 2042.5,2979 r180 bottom
U52 "74LVC125AD" SOIC-14_3.8MM 17417.6,2394.09 r180 top
U53 "74LVC125AD" SOIC-14_3.8MM 17777.6,2394.09 r180 top
U54 "74LVC125AD" SOIC-14_3.8MM 14202.6,2394.09 r180 top